# KiCad board Spielmodul.kicad_pcb
title: 004.601.00; company: stonedDiscord
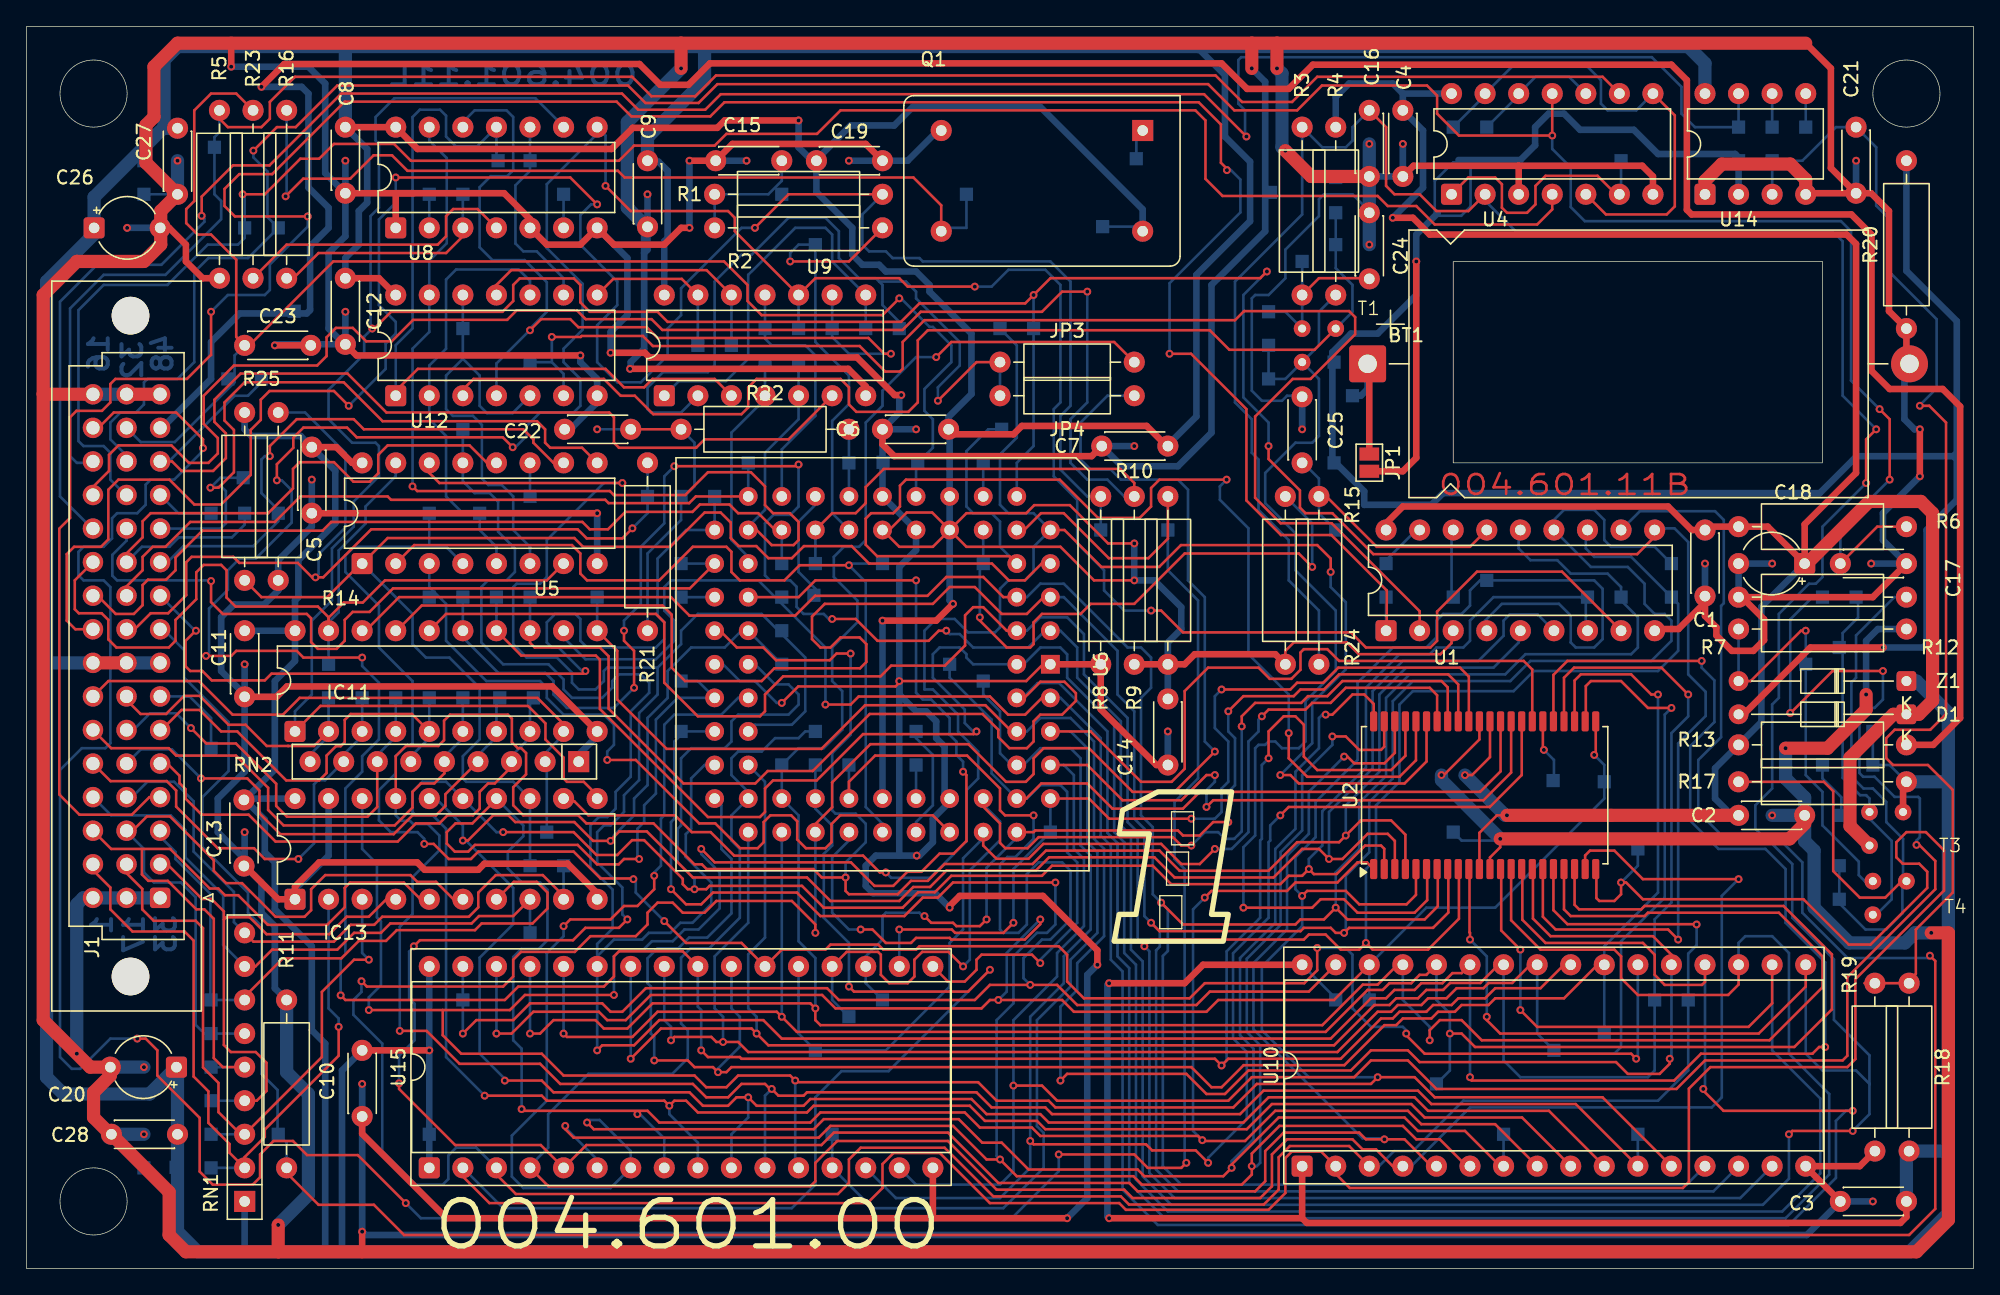
[diagram p0: board, top side]
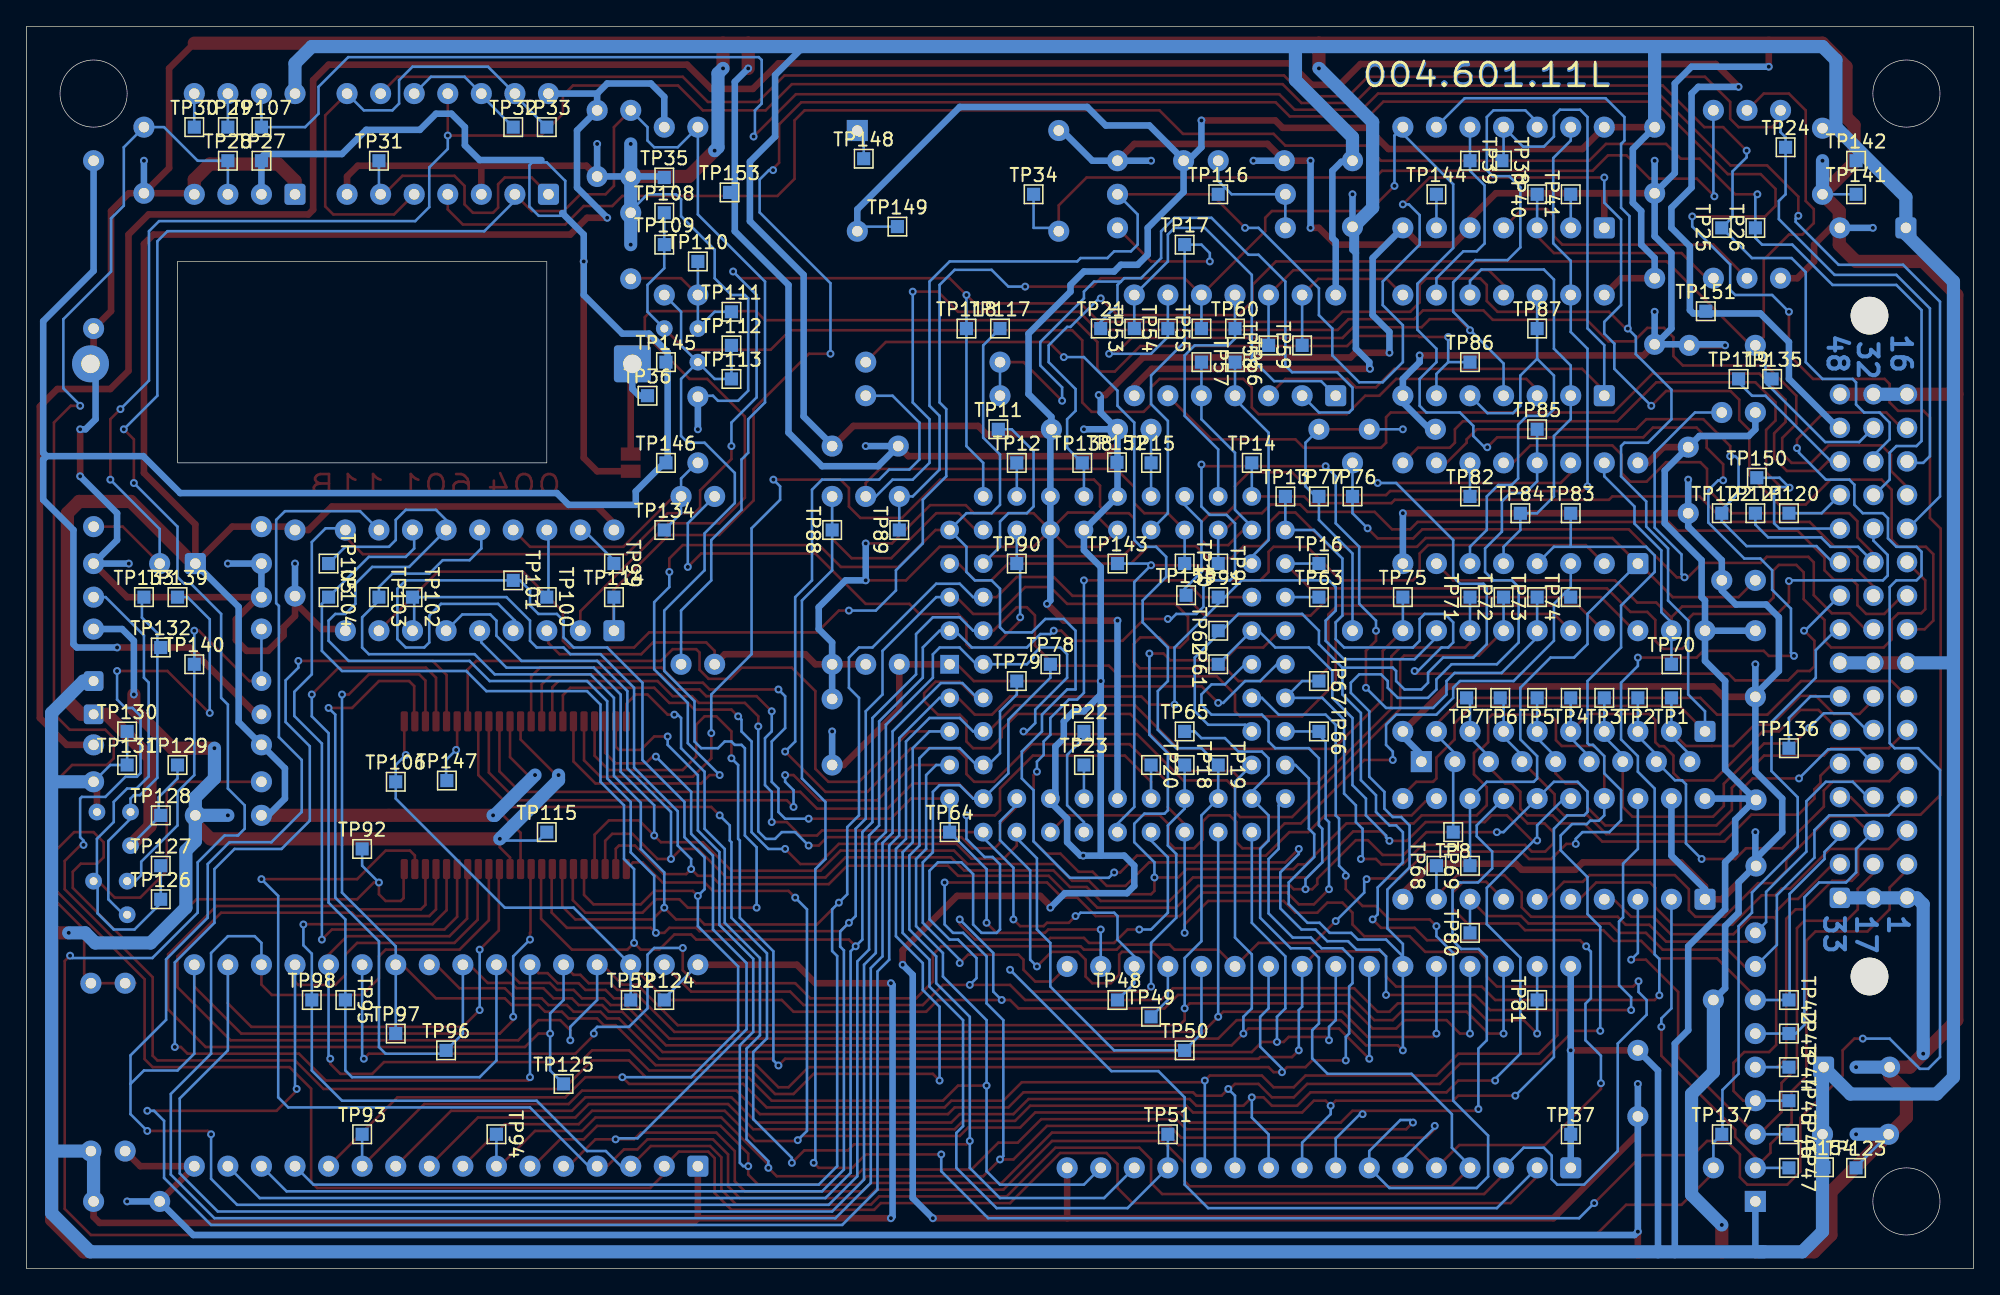
[diagram p1: board, bottom side, seen from below]

Outline 147.32 x 93.98 mm; copper layers: Top, Bottom. Coordinates in mm from the lower left corner of the outline.
Outline path: rectangle 0,93.98 147.32,0 ; circle c5.08,88.9 r2.54 ; circle c5.08,5.08 r2.54 ; rectangle 107.95,76.2 135.89,60.96 ; circle c142.24,88.9 r2.54

## Placement (name value [footprint] x y rotation side)
BT1  Battery_Cell  [CP_Axial_L34.5mm_D20.0mm_P41.00mm_Horizontal]  101.47 68.45 0 top
C1  104M  [C_Disc_D4.3mm_W1.9mm_P5.00mm]  127 55.88 270 top
C2  104M  [C_Disc_D4.3mm_W1.9mm_P5.00mm]  129.54 34.29 0 top
C3  104M  [C_Disc_D4.3mm_W1.9mm_P5.00mm]  142.24 5.08 180 top
C4  104M  [C_Disc_D4.3mm_W1.9mm_P5.00mm]  104.14 87.63 270 top
C5  104M  [C_Disc_D4.3mm_W1.9mm_P5.00mm]  21.59 62.15 270 top
C6  104M  [C_Disc_D4.3mm_W1.9mm_P5.00mm]  69.77 63.5 180 top
C7  104M  [C_Disc_D4.3mm_W1.9mm_P5.00mm]  86.36 62.23 180 top
C8  104M  [C_Disc_D4.3mm_W1.9mm_P5.00mm]  24.13 86.36 270 top
C9  104M  [C_Disc_D4.3mm_W1.9mm_P5.00mm]  46.99 83.82 270 top
C10  104M  [C_Disc_D4.3mm_W1.9mm_P5.00mm]  25.4 16.51 270 top
C11  104M  [C_Disc_D4.3mm_W1.9mm_P5.00mm]  16.51 48.26 270 top
C12  104M  [C_Disc_D4.3mm_W1.9mm_P5.00mm]  24.13 74.93 270 top
C13  104M  [C_Disc_D4.3mm_W1.9mm_P5.00mm]  16.46 35.46 270 top
C14  104M  [C_Disc_D4.3mm_W1.9mm_P5.00mm]  86.36 43.1 270 top
C15  470K  [C_Disc_D4.3mm_W1.9mm_P5.00mm]  57.15 83.82 180 top
C16  470K  [C_Disc_D4.3mm_W1.9mm_P5.00mm]  101.6 87.63 270 top
C17  103  [C_Disc_D4.3mm_W1.9mm_P5.00mm]  137.24 53.34 0 top
C18  2u2 35  [CP_Radial_Tantal_D4.5mm_P5.00mm]  134.54 53.34 180 top
C19  104M  [C_Disc_D4.3mm_W1.9mm_P5.00mm]  59.77 83.82 0 top
C20  10u 16  [CP_Radial_Tantal_D4.5mm_P5.00mm]  11.35 15.24 180 top
C21  104M  [C_Disc_D4.3mm_W1.9mm_P5.00mm]  138.43 86.36 270 top
C22  470K  [C_Disc_D4.3mm_W1.9mm_P5.00mm]  45.72 63.5 180 top
C23  C  [C_Disc_D4.3mm_W1.9mm_P5.00mm]  16.51 69.85 0 top  (not fitted)
C24  C  [C_Disc_D4.3mm_W1.9mm_P5.00mm]  101.6 74.88 90 top  (not fitted)
C25  470K  [C_Disc_D4.3mm_W1.9mm_P5.00mm]  96.52 60.96 90 top
C26  10u 16  [CP_Radial_Tantal_D4.5mm_P5.00mm]  5.12 78.74 0 top
C27  104M  [C_Disc_D4.3mm_W1.9mm_P5.00mm]  11.43 86.28 270 top
C28  104M  [C_Disc_D4.3mm_W1.9mm_P5.00mm]  11.43 10.16 180 top
D1  D  [D_DO-34_SOD68_P12.70mm_Horizontal]  142.24 41.94 180 top
IC11  74HC245  [DIP-20_W7.62mm]  20.32 40.64 90 top
IC13  74HC245  [DIP-20_W7.62mm]  20.32 27.94 90 top
J1  DIN41612_03x16_ABC  [DIN41612_R2_3x16_Male_Vertical_THT]  10.11 28.05 180 top
JP1  Jumper_2_Open  [SolderJumper-2_P1.3mm_Open_Pad1.0x1.5mm]  101.6 60.97 270 top
JP3  Jumper_2_Bridged  [R_Axial_DIN0207_L6.3mm_D2.5mm_P10.16mm_Horizontal]  73.66 68.58 0 top
JP4  Jumper_2_Open  [R_Axial_DIN0207_L6.3mm_D2.5mm_P10.16mm_Horizontal]  73.66 66.04 0 top
Q1  ACO-xxxMHz  [Oscillator_DIP-14]  84.45 86.11 180 top
R1  100  [R_Axial_DIN0309_L9.0mm_D3.2mm_P12.70mm_Horizontal]  52.07 81.28 0 top
R2  100  [R_Axial_DIN0309_L9.0mm_D3.2mm_P12.70mm_Horizontal]  52.07 78.74 0 top
R3  330  [R_Axial_DIN0309_L9.0mm_D3.2mm_P12.70mm_Horizontal]  96.52 73.66 90 top
R4  1k  [R_Axial_DIN0309_L9.0mm_D3.2mm_P12.70mm_Horizontal]  99.06 73.66 90 top
R5  47k  [R_Axial_DIN0309_L9.0mm_D3.2mm_P12.70mm_Horizontal]  14.61 74.93 90 top
R6  2.2M  [R_Axial_DIN0309_L9.0mm_D3.2mm_P12.70mm_Horizontal]  129.54 56.13 0 top
R7  100  [R_Axial_DIN0309_L9.0mm_D3.2mm_P12.70mm_Horizontal]  129.54 48.39 0 top
R8  47k  [R_Axial_DIN0309_L9.0mm_D3.2mm_P12.70mm_Horizontal]  81.28 45.72 90 top
R9  10k  [R_Axial_DIN0309_L9.0mm_D3.2mm_P12.70mm_Horizontal]  83.82 45.72 90 top
R10  4,7k  [R_Axial_DIN0309_L9.0mm_D3.2mm_P12.70mm_Horizontal]  86.36 45.72 90 top
R11  10k  [R_Axial_DIN0309_L9.0mm_D3.2mm_P12.70mm_Horizontal]  19.69 7.62 90 top
R12  47  [R_Axial_DIN0309_L9.0mm_D3.2mm_P12.70mm_Horizontal]  129.54 50.8 0 top
R13  47k  [R_Axial_DIN0309_L9.0mm_D3.2mm_P12.70mm_Horizontal]  129.54 39.62 0 top
R14  47k  [R_Axial_DIN0309_L9.0mm_D3.2mm_P12.70mm_Horizontal]  19.05 52.07 90 top
R15  1k  [R_Axial_DIN0309_L9.0mm_D3.2mm_P12.70mm_Horizontal]  95.25 45.72 90 top
R16  100  [R_Axial_DIN0309_L9.0mm_D3.2mm_P12.70mm_Horizontal]  19.69 74.93 90 top
R17  470  [R_Axial_DIN0309_L9.0mm_D3.2mm_P12.70mm_Horizontal]  129.54 36.83 0 top
R18  56k  [R_Axial_DIN0309_L9.0mm_D3.2mm_P12.70mm_Horizontal]  142.44 8.89 90 top
R19  39k  [R_Axial_DIN0309_L9.0mm_D3.2mm_P12.70mm_Horizontal]  139.85 8.89 90 top
R20  10M  [R_Axial_DIN0309_L9.0mm_D3.2mm_P12.70mm_Horizontal]  142.24 71.12 90 top
R21  100  [R_Axial_DIN0309_L9.0mm_D3.2mm_P12.70mm_Horizontal]  46.99 48.26 90 top
R22  100  [R_Axial_DIN0309_L9.0mm_D3.2mm_P12.70mm_Horizontal]  49.53 63.5 0 top
R23  100  [R_Axial_DIN0309_L9.0mm_D3.2mm_P12.70mm_Horizontal]  17.14 74.93 90 top
R24  100  [R_Axial_DIN0309_L9.0mm_D3.2mm_P12.70mm_Horizontal]  97.79 45.72 90 top
R25  47k  [R_Axial_DIN0309_L9.0mm_D3.2mm_P12.70mm_Horizontal]  16.51 52.07 90 top
RN1  R_Network08  [R_Array_SIP9]  16.51 5.08 90 top
RN2  R_Network08  [R_Array_SIP9]  41.78 38.35 180 top
T1  BS170  [TO92]  96.52 71.12 0 top
T3  BC557  [TO92]  139.45 34.54 0 top
T4  BC546  [TO92]  139.7 29.31 0 top
TP1  TestPoint  [TestPoint_Pad_1.0x1.0mm]  22.85 43.18 0 bottom
TP2  TestPoint  [TestPoint_Pad_1.0x1.0mm]  25.4 43.18 0 bottom
TP3  TestPoint  [TestPoint_Pad_1.0x1.0mm]  27.94 43.18 0 bottom
TP4  TestPoint  [TestPoint_Pad_1.0x1.0mm]  30.48 43.18 0 bottom
TP5  TestPoint  [TestPoint_Pad_1.0x1.0mm]  33.02 43.18 0 bottom
TP6  TestPoint  [TestPoint_Pad_1.0x1.0mm]  35.81 43.18 0 bottom
TP7  TestPoint  [TestPoint_Pad_1.0x1.0mm]  38.35 43.18 0 bottom
TP8  TestPoint  [TestPoint_Pad_1.0x1.0mm]  39.37 33.02 0 bottom
TP9  IPL2  [TestPoint_Pad_1.0x1.0mm]  57.15 53.34 270 bottom
TP10  VPA  [TestPoint_Pad_1.0x1.0mm]  59.69 53.34 270 bottom
TP11  UDS  [TestPoint_Pad_1.0x1.0mm]  73.79 63.5 180 bottom
TP12  BG  [TestPoint_Pad_1.0x1.0mm]  72.39 60.96 180 bottom
TP13  IPL0  [TestPoint_Pad_1.0x1.0mm]  52.07 58.42 180 bottom
TP14  IPL1  [TestPoint_Pad_1.0x1.0mm]  54.61 60.96 180 bottom
TP15  HALT  [TestPoint_Pad_1.0x1.0mm]  62.23 60.96 180 bottom
TP16  ~  [TestPoint_Pad_1.0x1.0mm]  49.53 53.34 180 bottom
TP17  RESET  [TestPoint_Pad_1.0x1.0mm]  59.69 77.47 180 bottom
TP18  ~  [TestPoint_Pad_1.0x1.0mm]  59.69 38.1 270 bottom
TP19  ~  [TestPoint_Pad_1.0x1.0mm]  57.15 38.1 270 bottom
TP20  ~  [TestPoint_Pad_1.0x1.0mm]  62.23 38.1 270 bottom
TP21  TP  [TestPoint_Pad_1.0x1.0mm]  66.04 71.12 180 bottom
TP22  ~  [TestPoint_Pad_1.0x1.0mm]  67.31 40.64 180 bottom
TP23  ~  [TestPoint_Pad_1.0x1.0mm]  67.31 38.1 180 bottom
TP24  c_c14  [TestPoint_Pad_1.0x1.0mm]  14.22 84.84 180 bottom
TP25  c_b14  [TestPoint_Pad_1.0x1.0mm]  19.05 78.74 90 bottom
TP26  c_b13  [TestPoint_Pad_1.0x1.0mm]  16.51 78.74 90 bottom
TP27  +BATT  [TestPoint_Pad_1.0x1.0mm]  129.54 83.82 180 bottom
TP28  MINUS  [TestPoint_Pad_1.0x1.0mm]  132.08 83.82 180 bottom
TP29  STRB  [TestPoint_Pad_1.0x1.0mm]  132.08 86.36 180 bottom
TP30  BAL  [TestPoint_Pad_1.0x1.0mm]  134.62 86.36 180 bottom
TP31  ~  [TestPoint_Pad_1.0x1.0mm]  120.65 83.82 180 bottom
TP32  ~  [TestPoint_Pad_1.0x1.0mm]  110.49 86.36 180 bottom
TP33  ~  [TestPoint_Pad_1.0x1.0mm]  107.95 86.36 180 bottom
TP34  CLOCK_OUT  [TestPoint_Pad_1.0x1.0mm]  71.12 81.28 180 bottom
TP35  ~  [TestPoint_Pad_1.0x1.0mm]  99.06 82.55 180 bottom
TP36  BT+  [TestPoint_Pad_1.0x1.0mm]  100.33 66.04 180 bottom
TP37  ~  [TestPoint_Pad_1.0x1.0mm]  30.48 10.16 180 bottom
TP38  ~  [TestPoint_Pad_1.0x1.0mm]  35.69 83.82 270 bottom
TP39  ~  [TestPoint_Pad_1.0x1.0mm]  38.1 83.82 270 bottom
TP40  ~  [TestPoint_Pad_1.0x1.0mm]  33.02 81.28 90 bottom
TP41  ~  [TestPoint_Pad_1.0x1.0mm]  30.48 81.28 90 bottom
TP42  ~  [TestPoint_Pad_1.0x1.0mm]  13.97 20.32 270 bottom
TP43  ~  [TestPoint_Pad_1.0x1.0mm]  13.97 17.78 270 bottom
TP44  ~  [TestPoint_Pad_1.0x1.0mm]  13.97 15.24 270 bottom
TP45  ~  [TestPoint_Pad_1.0x1.0mm]  13.97 12.7 270 bottom
TP46  ~  [TestPoint_Pad_1.0x1.0mm]  13.97 10.16 270 bottom
TP47  ~  [TestPoint_Pad_1.0x1.0mm]  13.97 7.62 270 bottom
TP48  ~  [TestPoint_Pad_1.0x1.0mm]  64.77 20.32 180 bottom
TP49  ~  [TestPoint_Pad_1.0x1.0mm]  62.23 19.05 180 bottom
TP50  ~  [TestPoint_Pad_1.0x1.0mm]  59.69 16.51 180 bottom
TP51  ~  [TestPoint_Pad_1.0x1.0mm]  60.96 10.16 180 bottom
TP52  ~  [TestPoint_Pad_1.0x1.0mm]  101.6 20.32 180 bottom
TP53  ~  [TestPoint_Pad_1.0x1.0mm]  63.5 71.12 90 bottom
TP54  ~  [TestPoint_Pad_1.0x1.0mm]  60.96 71.12 90 bottom
TP55  ~  [TestPoint_Pad_1.0x1.0mm]  58.42 71.12 90 bottom
TP56  ~  [TestPoint_Pad_1.0x1.0mm]  55.88 68.58 270 bottom
TP57  ~  [TestPoint_Pad_1.0x1.0mm]  58.42 68.58 270 bottom
TP58  ~  [TestPoint_Pad_1.0x1.0mm]  53.34 69.85 90 bottom
TP59  ~  [TestPoint_Pad_1.0x1.0mm]  50.8 69.85 90 bottom
TP60  ~  [TestPoint_Pad_1.0x1.0mm]  55.88 71.12 180 bottom
TP61  ~  [TestPoint_Pad_1.0x1.0mm]  57.15 45.72 90 bottom
TP62  ~  [TestPoint_Pad_1.0x1.0mm]  57.15 48.26 90 bottom
TP63  ~  [TestPoint_Pad_1.0x1.0mm]  49.53 50.8 180 bottom
TP64  ~  [TestPoint_Pad_1.0x1.0mm]  77.47 33.02 180 bottom
TP65  ~  [TestPoint_Pad_1.0x1.0mm]  59.69 40.64 180 bottom
TP66  ~  [TestPoint_Pad_1.0x1.0mm]  49.53 40.64 270 bottom
TP67  ~  [TestPoint_Pad_1.0x1.0mm]  49.53 44.45 270 bottom
TP68  ~  [TestPoint_Pad_1.0x1.0mm]  40.64 30.48 90 bottom
TP69  ~  [TestPoint_Pad_1.0x1.0mm]  38.1 30.48 90 bottom
TP70  ~  [TestPoint_Pad_1.0x1.0mm]  22.86 45.72 180 bottom
TP71  ~  [TestPoint_Pad_1.0x1.0mm]  38.1 50.8 90 bottom
TP72  ~  [TestPoint_Pad_1.0x1.0mm]  35.56 50.8 90 bottom
TP73  ~  [TestPoint_Pad_1.0x1.0mm]  33.02 50.8 90 bottom
TP74  ~  [TestPoint_Pad_1.0x1.0mm]  30.48 50.8 90 bottom
TP75  ~  [TestPoint_Pad_1.0x1.0mm]  43.18 50.8 180 bottom
TP76  ~  [TestPoint_Pad_1.0x1.0mm]  46.99 58.42 180 bottom
TP77  HALT  [TestPoint_Pad_1.0x1.0mm]  49.53 58.42 180 bottom
TP78  ~  [TestPoint_Pad_1.0x1.0mm]  69.85 45.72 180 bottom
TP79  ~  [TestPoint_Pad_1.0x1.0mm]  72.39 44.45 180 bottom
TP80  ~  [TestPoint_Pad_1.0x1.0mm]  38.1 25.4 90 bottom
TP81  ~  [TestPoint_Pad_1.0x1.0mm]  33.02 20.32 90 bottom
TP82  ~  [TestPoint_Pad_1.0x1.0mm]  38.1 58.42 180 bottom
TP83  ~  [TestPoint_Pad_1.0x1.0mm]  30.48 57.14 180 bottom
TP84  ~  [TestPoint_Pad_1.0x1.0mm]  34.29 57.14 180 bottom
TP85  ~  [TestPoint_Pad_1.0x1.0mm]  33.02 63.5 180 bottom
TP86  ~  [TestPoint_Pad_1.0x1.0mm]  38.1 68.58 180 bottom
TP87  ~  [TestPoint_Pad_1.0x1.0mm]  33.02 71.12 180 bottom
TP88  ~  [TestPoint_Pad_1.0x1.0mm]  86.36 55.88 90 bottom
TP89  ~  [TestPoint_Pad_1.0x1.0mm]  81.28 55.88 90 bottom
TP90  BGACK  [TestPoint_Pad_1.0x1.0mm]  72.39 53.34 180 bottom
TP91  ~  [TestPoint_Pad_1.0x1.0mm]  57.15 50.8 180 bottom
TP92  ~  [TestPoint_Pad_1.0x1.0mm]  121.92 31.75 180 bottom
TP93  ~  [TestPoint_Pad_1.0x1.0mm]  121.92 10.16 180 bottom
TP94  ~  [TestPoint_Pad_1.0x1.0mm]  111.76 10.16 270 bottom
TP95  ~  [TestPoint_Pad_1.0x1.0mm]  123.19 20.32 270 bottom
TP96  ~  [TestPoint_Pad_1.0x1.0mm]  115.57 16.51 180 bottom
TP97  ~  [TestPoint_Pad_1.0x1.0mm]  119.38 17.78 180 bottom
TP98  ~  [TestPoint_Pad_1.0x1.0mm]  125.73 20.32 180 bottom
TP99  ~  [TestPoint_Pad_1.0x1.0mm]  102.87 53.34 270 bottom
TP100  ~  [TestPoint_Pad_1.0x1.0mm]  107.95 50.8 270 bottom
TP101  ~  [TestPoint_Pad_1.0x1.0mm]  110.49 52.07 270 bottom
TP102  ~  [TestPoint_Pad_1.0x1.0mm]  118.11 50.8 270 bottom
TP103  ~  [TestPoint_Pad_1.0x1.0mm]  120.65 50.8 270 bottom
TP104  ~  [TestPoint_Pad_1.0x1.0mm]  124.46 50.8 270 bottom
TP105  ~  [TestPoint_Pad_1.0x1.0mm]  124.46 53.34 270 bottom
TP106  ~  [TestPoint_Pad_1.0x1.0mm]  119.38 36.83 180 bottom
TP107  ~  [TestPoint_Pad_1.0x1.0mm]  129.54 86.36 180 bottom
TP108  ~  [TestPoint_Pad_1.0x1.0mm]  99.06 79.89 180 bottom
TP109  ~  [TestPoint_Pad_1.0x1.0mm]  99.06 77.47 180 bottom
TP110  ~  [TestPoint_Pad_1.0x1.0mm]  96.52 76.2 180 bottom
TP111  ~  [TestPoint_Pad_1.0x1.0mm]  93.98 72.39 180 bottom
TP112  ~  [TestPoint_Pad_1.0x1.0mm]  93.98 69.85 180 bottom
TP113  ~  [TestPoint_Pad_1.0x1.0mm]  93.98 67.31 180 bottom
TP114  ~  [TestPoint_Pad_1.0x1.0mm]  102.87 50.8 180 bottom
TP115  ~  [TestPoint_Pad_1.0x1.0mm]  107.95 33.02 180 bottom
TP116  RESET  [TestPoint_Pad_1.0x1.0mm]  57.15 81.28 180 bottom
TP117  LDS  [TestPoint_Pad_1.0x1.0mm]  73.66 71.12 180 bottom
TP118  RW  [TestPoint_Pad_1.0x1.0mm]  76.2 71.12 180 bottom
TP119  ~  [TestPoint_Pad_1.0x1.0mm]  17.78 67.31 180 bottom
TP120  c_b13  [TestPoint_Pad_1.0x1.0mm]  13.97 57.15 180 bottom
TP121  c_b13  [TestPoint_Pad_1.0x1.0mm]  16.51 57.15 180 bottom
TP122  c_b13  [TestPoint_Pad_1.0x1.0mm]  19.05 57.15 180 bottom
TP123  c_b13  [TestPoint_Pad_1.0x1.0mm]  8.89 7.62 180 bottom
TP124  c_b13  [TestPoint_Pad_1.0x1.0mm]  99.06 20.32 180 bottom
TP125  c_b13  [TestPoint_Pad_1.0x1.0mm]  106.68 13.97 180 bottom
TP126  c_b13  [TestPoint_Pad_1.0x1.0mm]  137.16 27.94 180 bottom
TP127  c_b13  [TestPoint_Pad_1.0x1.0mm]  137.16 30.48 180 bottom
TP128  c_b13  [TestPoint_Pad_1.0x1.0mm]  137.16 34.29 180 bottom
TP129  c_b13  [TestPoint_Pad_1.0x1.0mm]  135.89 38.1 180 bottom
TP130  c_b13  [TestPoint_Pad_1.0x1.0mm]  139.7 40.64 180 bottom
TP131  c_b13  [TestPoint_Pad_1.0x1.0mm]  139.7 38.1 180 bottom
TP132  c_b13  [TestPoint_Pad_1.0x1.0mm]  137.16 46.99 180 bottom
TP133  c_b13  [TestPoint_Pad_1.0x1.0mm]  138.43 50.8 180 bottom
TP134  ~  [TestPoint_Pad_1.0x1.0mm]  99.06 55.88 180 bottom
TP135  ~  [TestPoint_Pad_1.0x1.0mm]  15.24 67.31 180 bottom
TP136  c_b13  [TestPoint_Pad_1.0x1.0mm]  13.97 39.37 180 bottom
TP137  c_b13  [TestPoint_Pad_1.0x1.0mm]  19.05 10.16 180 bottom
TP138  CLK  [TestPoint_Pad_1.0x1.0mm]  67.44 60.96 180 bottom
TP139  ~  [TestPoint_Pad_1.0x1.0mm]  135.89 50.8 180 bottom
TP140  ~  [TestPoint_Pad_1.0x1.0mm]  134.62 45.72 180 bottom
TP141  c_b13  [TestPoint_Pad_1.0x1.0mm]  8.89 81.28 180 bottom
TP142  c_b13  [TestPoint_Pad_1.0x1.0mm]  8.89 83.82 180 bottom
TP143  ~  [TestPoint_Pad_1.0x1.0mm]  64.77 53.34 180 bottom
TP144  ~  [TestPoint_Pad_1.0x1.0mm]  40.64 81.28 180 bottom
TP145  ~  [TestPoint_Pad_1.0x1.0mm]  98.93 68.58 180 bottom
TP146  ~  [TestPoint_Pad_1.0x1.0mm]  98.93 60.96 180 bottom
TP147  ~  [TestPoint_Pad_1.0x1.0mm]  115.51 36.92 180 bottom
TP148  c_b13  [TestPoint_Pad_1.0x1.0mm]  83.97 83.97 180 bottom
TP149  c_b13  [TestPoint_Pad_1.0x1.0mm]  81.42 78.83 180 bottom
TP150  c_b13  [TestPoint_Pad_1.0x1.0mm]  16.4 59.83 180 bottom
TP151  c_b13  [TestPoint_Pad_1.0x1.0mm]  20.26 72.43 180 bottom
TP152  c_b13  [TestPoint_Pad_1.0x1.0mm]  64.81 61 180 bottom
TP153  c_b13  [TestPoint_Pad_1.0x1.0mm]  94.12 81.42 180 bottom
TP154  c_b13  [TestPoint_Pad_1.0x1.0mm]  11.32 7.66 180 bottom
TP155  ~  [TestPoint_Pad_1.0x1.0mm]  59.58 50.94 180 bottom
U1  RTC72421  [DIP-18_W7.62mm]  102.87 48.26 90 top
U2  K6T4016C3C  [TSOP-II-44_10.16x18.41mm_P0.8mm]  110.33 35.81 90 top
U4  74HC02  [DIP-14_W7.62mm]  107.82 81.28 90 top
U5  74HC139  [DIP-16_W7.62mm]  25.4 53.34 90 top
U6  MC68EC000FN16  [PLCC-68_THT-Socket]  77.47 45.72 270 top
U8  74HC14  [DIP-14_W7.62mm]  27.94 78.74 90 top
U9  74HC08  [DIP-14_W7.62mm]  48.26 66.04 90 top
U10  27C040  [DIP-32_W15.24mm_Socket]  96.52 7.75 90 top
U12  74HC32  [DIP-14_W7.62mm]  27.94 66.04 90 top
U14  LM311  [DIP-8_W7.62mm]  127 81.28 90 top
U15  27C040  [DIP-32_W15.24mm_Socket]  30.48 7.62 90 top
Z1  D_Zener  [D_DO-34_SOD68_P12.70mm_Horizontal]  142.24 44.45 180 top

## Library data of the parts
BT1 = -: Description: Single-cell battery; Sim.Device: V; Sim.Type: DC; Sim.Pins: 1=+ 2=-
C1-C17 C19 C21-C25 C27 C28 = -: Description: Unpolarized capacitor; KiLib_Generator: capacitor/THT/other; ki_fp_filters: C_*
C18 C20 C26 = -: Description: Polarized capacitor; ki_fp_filters: CP_*
D1 = -: Description: Diode; Sim.Pins: 1=K 2=A; ki_fp_filters: TO-???* *_Diode_* *SingleDiode* D_*
IC11 IC13 = -: Datasheet: http://www.ti.com/lit/gpn/sn74HC245; Description: Octal BUS Transceivers, 3-State outputs; ki_fp_filters: DIP?20*
J1 = -: Description: DIN41612 connector, triple row (ABC), 03x16; ki_fp_filters: DIN41612*3x*
JP1 JP4 = -: Description: Jumper, 2-pole, open; ki_fp_filters: Jumper* TestPoint*2Pads* TestPoint*Bridge*
JP3 = -: Description: Jumper, 2-pole, closed/bridged; ki_fp_filters: Jumper* TestPoint*2Pads* TestPoint*Bridge*
Q1 = -: Datasheet: http://www.conwin.com/datasheets/cx/cx030.pdf; Description: HCMOS Crystal Clock Oscillator, DIP14-style metal package; ki_fp_filters: Oscillator*DIP*14*
R1-R25 = -: Description: Resistor; ki_fp_filters: R_*
RN1 RN2 = -: Datasheet: http://www.vishay.com/docs/31509/csc.pdf; Description: 8 resistor network, star topology, bussed resistors, small symbol; ki_fp_filters: R?Array?SIP*
T1 = -: Datasheet: https://www.onsemi.com/pub/Collateral/BS170-D.PDF; Description: 0.5A Id, 60V Vds, N-Channel MOSFET, TO-92; ki_fp_filters: TO?92*
T3 = -: Datasheet: https://www.onsemi.com/pub/Collateral/BC556BTA-D.pdf; Description: 0.1A Ic, 45V Vce, PNP Small Signal Transistor, TO-92; Sim.Device: PNP; Sim.Pins: 1=C 2=B 3=E; ki_fp_filters: TO?92*
T4 = -: Datasheet: https://www.onsemi.com/pub/Collateral/BC550-D.pdf; Description: 0.1A Ic, 65V Vce, Small Signal NPN Transistor, TO-92; Sim.Device: NPN; Sim.Pins: 1=C 2=B 3=E; ki_fp_filters: TO?92*
TP1-TP155 = -: Description: test point; ki_fp_filters: Pin* Test*
U2 = -: KiLib_Generator: package/gullwing
U4 = -: Datasheet: http://www.ti.com/lit/gpn/sn74hc02; Description: quad 2-input NOR gate; ki_fp_filters: SO14* DIP*W7.62mm*
U5 = -: Datasheet: http://www.ti.com/lit/ds/symlink/sn74ls139a.pdf; Description: Dual Decoder 1 of 4, Active low outputs; ki_fp_filters: DIP?16*
U6 = -: Datasheet: https://www.nxp.com/docs/en/reference-manual/MC68000UM.pdf; Description: 16/32-bit microprocessor, 16-bit external data bus, 23-bit external address bus (effectively 24-bit), PLCC-68 (case 779-01); ki_fp_filters: *PLCC*24.2*x24.2*P1.27mm*
U8 = -: Datasheet: http://www.ti.com/lit/gpn/sn74HC14; Description: Hex inverter schmitt trigger; ki_fp_filters: DIP*W7.62mm*
U9 = -: Datasheet: http://www.ti.com/lit/gpn/sn74LS08; Description: Quad And2; ki_fp_filters: DIP*W7.62mm*
U10 U15 = -: Datasheet: http://ww1.microchip.com/downloads/en/devicedoc/doc0189.pdf; Description: OTP EPROM 4 MiBit (512 Ki x 8); ki_fp_filters: DIP*W15.24mm* PLCC*
U12 = -: Datasheet: http://www.ti.com/lit/gpn/sn74LS32; Description: Quad 2-input OR; ki_fp_filters: DIP?14*
U14 = -: Datasheet: https://www.st.com/resource/en/datasheet/lm311.pdf; Description: Voltage Comparator, DIP-8/SOIC-8; ki_fp_filters: SOIC*3.9x4.9mm*P1.27mm* DIP*W7.62mm*
Z1 = -: Description: Zener diode; ki_fp_filters: TO-???* *_Diode_* *SingleDiode* D_*
